# KiCad board demomatrix.kicad_pcb (continued)
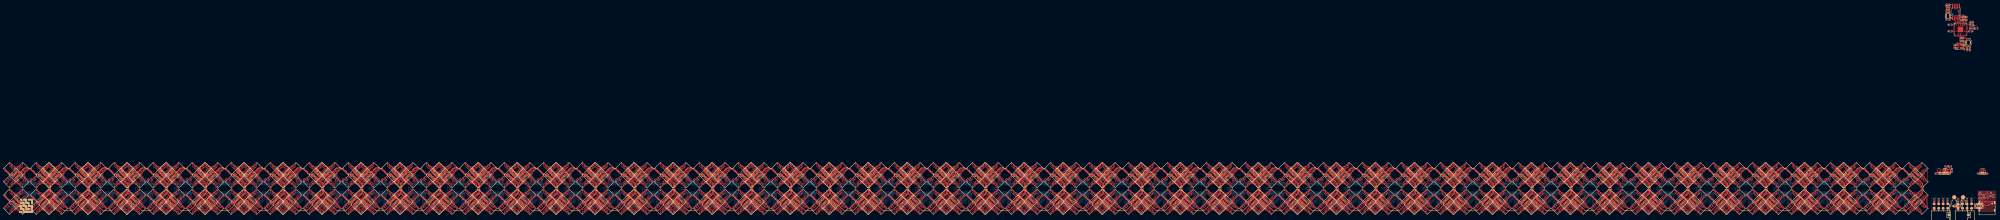
[diagram p0: board, top side]
## Nets (continued)
rgbs[1]-anodes-anode-684: LED781.3 LED782.4
rgbs[1]-anodes-anode-685: LED781.1 LED782.2
rgbs[1]-anodes-anode-686: LED781.5 LED782.6
rgbs[1]-anodes-anode-687: LED781.7 LED782.8
rgbs[1]-anodes-anode-688: LED65.3 LED66.4
rgbs[1]-anodes-anode-689: LED65.1 LED66.2
rgbs[1]-anodes-anode-690: LED65.5 LED66.6
rgbs[1]-anodes-anode-691: LED65.7 LED66.8
rgbs[1]-anodes-anode-692: LED69.3 LED70.4
rgbs[1]-anodes-anode-693: LED69.1 LED70.2
rgbs[1]-anodes-anode-694: LED69.5 LED70.6
rgbs[1]-anodes-anode-695: LED69.7 LED70.8
rgbs[1]-anodes-anode-696: LED73.3 LED74.4
rgbs[1]-anodes-anode-697: LED73.1 LED74.2
rgbs[1]-anodes-anode-698: LED73.5 LED74.6
rgbs[1]-anodes-anode-699: LED73.7 LED74.8
rgbs[1]-anodes-anode-700: LED77.3 LED78.4
rgbs[1]-anodes-anode-701: LED77.1 LED78.2
rgbs[1]-anodes-anode-702: LED77.5 LED78.6
rgbs[1]-anodes-anode-703: LED77.7 LED78.8
rgbs[1]-anodes-anode-704: LED81.3 LED82.4
rgbs[1]-anodes-anode-705: LED81.1 LED82.2
rgbs[1]-anodes-anode-706: LED81.5 LED82.6
rgbs[1]-anodes-anode-707: LED81.7 LED82.8
rgbs[1]-anodes-anode-708: LED85.3 LED86.4
rgbs[1]-anodes-anode-709: LED85.1 LED86.2
rgbs[1]-anodes-anode-710: LED85.5 LED86.6
rgbs[1]-anodes-anode-711: LED85.7 LED86.8
rgbs[1]-anodes-anode-712: LED89.3 LED90.4
rgbs[1]-anodes-anode-713: LED89.1 LED90.2
rgbs[1]-anodes-anode-714: LED89.5 LED90.6
rgbs[1]-anodes-anode-715: LED89.7 LED90.8
rgbs[1]-anodes-anode-716: LED93.3 LED94.4
rgbs[1]-anodes-anode-717: LED93.1 LED94.2
rgbs[1]-anodes-anode-718: LED93.5 LED94.6
rgbs[1]-anodes-anode-719: LED93.7 LED94.8
rgbs[1]-anodes-anode-720: LED97.3 LED98.4
rgbs[1]-anodes-anode-721: LED97.1 LED98.2
rgbs[1]-anodes-anode-722: LED97.5 LED98.6
rgbs[1]-anodes-anode-723: LED97.7 LED98.8
rgbs[1]-anodes-anode-724: LED101.3 LED102.4
rgbs[1]-anodes-anode-725: LED101.1 LED102.2
rgbs[1]-anodes-anode-726: LED101.5 LED102.6
rgbs[1]-anodes-anode-727: LED101.7 LED102.8
rgbs[1]-anodes-anode-728: LED105.3 LED106.4
rgbs[1]-anodes-anode-729: LED105.1 LED106.2
rgbs[1]-anodes-anode-730: LED105.5 LED106.6
rgbs[1]-anodes-anode-731: LED105.7 LED106.8
rgbs[1]-anodes-anode-732: LED109.3 LED110.4
rgbs[1]-anodes-anode-733: LED109.1 LED110.2
rgbs[1]-anodes-anode-734: LED109.5 LED110.6
rgbs[1]-anodes-anode-735: LED109.7 LED110.8
rgbs[1]-anodes-anode-736: LED113.3 LED114.4
rgbs[1]-anodes-anode-737: LED113.1 LED114.2
rgbs[1]-anodes-anode-738: LED113.5 LED114.6
rgbs[1]-anodes-anode-739: LED113.7 LED114.8
rgbs[1]-anodes-anode-740: LED117.3 LED118.4
rgbs[1]-anodes-anode-741: LED117.1 LED118.2
rgbs[1]-anodes-anode-742: LED117.5 LED118.6
rgbs[1]-anodes-anode-743: LED117.7 LED118.8
rgbs[1]-anodes-anode-744: LED121.3 LED122.4
rgbs[1]-anodes-anode-745: LED121.1 LED122.2
rgbs[1]-anodes-anode-746: LED121.5 LED122.6
rgbs[1]-anodes-anode-747: LED121.7 LED122.8
rgbs[1]-anodes-anode-748: LED125.3 LED126.4
rgbs[1]-anodes-anode-749: LED125.1 LED126.2
rgbs[1]-anodes-anode-750: LED125.5 LED126.6
rgbs[1]-anodes-anode-751: LED125.7 LED126.8
rgbs[1]-anodes-anode-752: LED129.3 LED130.4
rgbs[1]-anodes-anode-753: LED129.1 LED130.2
rgbs[1]-anodes-anode-754: LED129.5 LED130.6
rgbs[1]-anodes-anode-755: LED129.7 LED130.8
rgbs[1]-anodes-anode-756: LED133.3 LED134.4
rgbs[1]-anodes-anode-757: LED133.1 LED134.2
rgbs[1]-anodes-anode-758: LED133.5 LED134.6
rgbs[1]-anodes-anode-759: LED133.7 LED134.8
rgbs[1]-anodes-anode-760: LED137.3 LED138.4
rgbs[1]-anodes-anode-761: LED137.1 LED138.2
rgbs[1]-anodes-anode-762: LED137.5 LED138.6
rgbs[1]-anodes-anode-763: LED137.7 LED138.8
rgbs[1]-anodes-anode-764: LED141.3 LED142.4
rgbs[1]-anodes-anode-765: LED141.1 LED142.2
rgbs[1]-anodes-anode-766: LED141.5 LED142.6
rgbs[1]-anodes-anode-767: LED141.7 LED142.8
rgbs[1]-anodes-anode-768: LED145.3 LED146.4
rgbs[1]-anodes-anode-769: LED145.1 LED146.2
rgbs[1]-anodes-anode-770: LED145.5 LED146.6
rgbs[1]-anodes-anode-771: LED145.7 LED146.8
rgbs[1]-anodes-anode-772: LED149.3 LED150.4
rgbs[1]-anodes-anode-773: LED149.1 LED150.2
rgbs[1]-anodes-anode-774: LED149.5 LED150.6
rgbs[1]-anodes-anode-775: LED149.7 LED150.8
rgbs[1]-anodes-anode-776: LED153.3 LED154.4
rgbs[1]-anodes-anode-777: LED153.1 LED154.2
rgbs[1]-anodes-anode-778: LED153.5 LED154.6
rgbs[1]-anodes-anode-779: LED153.7 LED154.8
rgbs[1]-anodes-anode-780: LED157.3 LED158.4
rgbs[1]-anodes-anode-781: LED157.1 LED158.2
rgbs[1]-anodes-anode-782: LED157.5 LED158.6
rgbs[1]-anodes-anode-783: LED157.7 LED158.8
rgbs[2]-anodes-anode-0: LED2.3 LED3.4
rgbs[2]-anodes-anode-1: LED2.1 LED3.2
rgbs[2]-anodes-anode-2: LED2.5 LED3.6
rgbs[2]-anodes-anode-3: LED2.7 LED3.8
rgbs[2]-anodes-anode-4: LED6.3 LED7.4
rgbs[2]-anodes-anode-5: LED6.1 LED7.2
rgbs[2]-anodes-anode-6: LED6.5 LED7.6
rgbs[2]-anodes-anode-7: LED6.7 LED7.8
rgbs[2]-anodes-anode-8: LED10.3 LED11.4
rgbs[2]-anodes-anode-9: LED10.1 LED11.2
rgbs[2]-anodes-anode-10: LED10.5 LED11.6
rgbs[2]-anodes-anode-11: LED10.7 LED11.8
rgbs[2]-anodes-anode-12: LED14.3 LED15.4
rgbs[2]-anodes-anode-13: LED14.1 LED15.2
rgbs[2]-anodes-anode-14: LED14.5 LED15.6
rgbs[2]-anodes-anode-15: LED14.7 LED15.8
rgbs[2]-anodes-anode-16: LED162.3 LED163.4
rgbs[2]-anodes-anode-17: LED162.1 LED163.2
rgbs[2]-anodes-anode-18: LED162.5 LED163.6
rgbs[2]-anodes-anode-19: LED162.7 LED163.8
rgbs[2]-anodes-anode-20: LED166.3 LED167.4
rgbs[2]-anodes-anode-21: LED166.1 LED167.2
rgbs[2]-anodes-anode-22: LED166.5 LED167.6
rgbs[2]-anodes-anode-23: LED166.7 LED167.8
rgbs[2]-anodes-anode-24: LED170.3 LED171.4
rgbs[2]-anodes-anode-25: LED170.1 LED171.2
rgbs[2]-anodes-anode-26: LED170.5 LED171.6
rgbs[2]-anodes-anode-27: LED170.7 LED171.8
rgbs[2]-anodes-anode-28: LED174.3 LED175.4
rgbs[2]-anodes-anode-29: LED174.1 LED175.2
rgbs[2]-anodes-anode-30: LED174.5 LED175.6
rgbs[2]-anodes-anode-31: LED174.7 LED175.8
rgbs[2]-anodes-anode-32: LED178.3 LED179.4
rgbs[2]-anodes-anode-33: LED178.1 LED179.2
rgbs[2]-anodes-anode-34: LED178.5 LED179.6
rgbs[2]-anodes-anode-35: LED178.7 LED179.8
rgbs[2]-anodes-anode-36: LED182.3 LED183.4
rgbs[2]-anodes-anode-37: LED182.1 LED183.2
rgbs[2]-anodes-anode-38: LED182.5 LED183.6
rgbs[2]-anodes-anode-39: LED182.7 LED183.8
rgbs[2]-anodes-anode-40: LED186.3 LED187.4
rgbs[2]-anodes-anode-41: LED186.1 LED187.2
rgbs[2]-anodes-anode-42: LED186.5 LED187.6
rgbs[2]-anodes-anode-43: LED186.7 LED187.8
rgbs[2]-anodes-anode-44: LED190.3 LED191.4
rgbs[2]-anodes-anode-45: LED190.1 LED191.2
rgbs[2]-anodes-anode-46: LED190.5 LED191.6
rgbs[2]-anodes-anode-47: LED190.7 LED191.8
rgbs[2]-anodes-anode-48: LED194.3 LED195.4
rgbs[2]-anodes-anode-49: LED194.1 LED195.2
rgbs[2]-anodes-anode-50: LED194.5 LED195.6
rgbs[2]-anodes-anode-51: LED194.7 LED195.8
rgbs[2]-anodes-anode-52: LED198.3 LED199.4
rgbs[2]-anodes-anode-53: LED198.1 LED199.2
rgbs[2]-anodes-anode-54: LED198.5 LED199.6
rgbs[2]-anodes-anode-55: LED198.7 LED199.8
rgbs[2]-anodes-anode-56: LED202.3 LED203.4
rgbs[2]-anodes-anode-57: LED202.1 LED203.2
rgbs[2]-anodes-anode-58: LED202.5 LED203.6
rgbs[2]-anodes-anode-59: LED202.7 LED203.8
rgbs[2]-anodes-anode-60: LED206.3 LED207.4
rgbs[2]-anodes-anode-61: LED206.1 LED207.2
rgbs[2]-anodes-anode-62: LED206.5 LED207.6
rgbs[2]-anodes-anode-63: LED206.7 LED207.8
rgbs[2]-anodes-anode-64: LED210.3 LED211.4
rgbs[2]-anodes-anode-65: LED210.1 LED211.2
rgbs[2]-anodes-anode-66: LED210.5 LED211.6
rgbs[2]-anodes-anode-67: LED210.7 LED211.8
rgbs[2]-anodes-anode-68: LED214.3 LED215.4
rgbs[2]-anodes-anode-69: LED214.1 LED215.2
rgbs[2]-anodes-anode-70: LED214.5 LED215.6
rgbs[2]-anodes-anode-71: LED214.7 LED215.8
rgbs[2]-anodes-anode-72: LED218.3 LED219.4
rgbs[2]-anodes-anode-73: LED218.1 LED219.2
rgbs[2]-anodes-anode-74: LED218.5 LED219.6
rgbs[2]-anodes-anode-75: LED218.7 LED219.8
rgbs[2]-anodes-anode-76: LED222.3 LED223.4
rgbs[2]-anodes-anode-77: LED222.1 LED223.2
rgbs[2]-anodes-anode-78: LED222.5 LED223.6
rgbs[2]-anodes-anode-79: LED222.7 LED223.8
rgbs[2]-anodes-anode-80: LED226.3 LED227.4
rgbs[2]-anodes-anode-81: LED226.1 LED227.2
rgbs[2]-anodes-anode-82: LED226.5 LED227.6
rgbs[2]-anodes-anode-83: LED226.7 LED227.8
rgbs[2]-anodes-anode-84: LED230.3 LED231.4
rgbs[2]-anodes-anode-85: LED230.1 LED231.2
rgbs[2]-anodes-anode-86: LED230.5 LED231.6
rgbs[2]-anodes-anode-87: LED230.7 LED231.8
rgbs[2]-anodes-anode-88: LED234.3 LED235.4
rgbs[2]-anodes-anode-89: LED234.1 LED235.2
rgbs[2]-anodes-anode-90: LED234.5 LED235.6
rgbs[2]-anodes-anode-91: LED234.7 LED235.8
rgbs[2]-anodes-anode-92: LED238.3 LED239.4
rgbs[2]-anodes-anode-93: LED238.1 LED239.2
rgbs[2]-anodes-anode-94: LED238.5 LED239.6
rgbs[2]-anodes-anode-95: LED238.7 LED239.8
rgbs[2]-anodes-anode-96: LED242.3 LED243.4
rgbs[2]-anodes-anode-97: LED242.1 LED243.2
rgbs[2]-anodes-anode-98: LED242.5 LED243.6
rgbs[2]-anodes-anode-99: LED242.7 LED243.8
rgbs[2]-anodes-anode-100: LED246.3 LED247.4
rgbs[2]-anodes-anode-101: LED246.1 LED247.2
rgbs[2]-anodes-anode-102: LED246.5 LED247.6
rgbs[2]-anodes-anode-103: LED246.7 LED247.8
rgbs[2]-anodes-anode-104: LED250.3 LED251.4
rgbs[2]-anodes-anode-105: LED250.1 LED251.2
rgbs[2]-anodes-anode-106: LED250.5 LED251.6
rgbs[2]-anodes-anode-107: LED250.7 LED251.8
rgbs[2]-anodes-anode-108: LED254.3 LED255.4
rgbs[2]-anodes-anode-109: LED254.1 LED255.2
rgbs[2]-anodes-anode-110: LED254.5 LED255.6
rgbs[2]-anodes-anode-111: LED254.7 LED255.8
rgbs[2]-anodes-anode-112: LED258.3 LED259.4
rgbs[2]-anodes-anode-113: LED258.1 LED259.2
rgbs[2]-anodes-anode-114: LED258.5 LED259.6
rgbs[2]-anodes-anode-115: LED258.7 LED259.8
rgbs[2]-anodes-anode-116: LED262.3 LED263.4
rgbs[2]-anodes-anode-117: LED262.1 LED263.2
rgbs[2]-anodes-anode-118: LED262.5 LED263.6
rgbs[2]-anodes-anode-119: LED262.7 LED263.8
rgbs[2]-anodes-anode-120: LED266.3 LED267.4
rgbs[2]-anodes-anode-121: LED266.1 LED267.2
rgbs[2]-anodes-anode-122: LED266.5 LED267.6
rgbs[2]-anodes-anode-123: LED266.7 LED267.8
rgbs[2]-anodes-anode-124: LED270.3 LED271.4
rgbs[2]-anodes-anode-125: LED270.1 LED271.2
rgbs[2]-anodes-anode-126: LED270.5 LED271.6
rgbs[2]-anodes-anode-127: LED270.7 LED271.8
rgbs[2]-anodes-anode-128: LED274.3 LED275.4
rgbs[2]-anodes-anode-129: LED274.1 LED275.2
rgbs[2]-anodes-anode-130: LED274.5 LED275.6
rgbs[2]-anodes-anode-131: LED274.7 LED275.8
rgbs[2]-anodes-anode-132: LED278.3 LED279.4
rgbs[2]-anodes-anode-133: LED278.1 LED279.2
rgbs[2]-anodes-anode-134: LED278.5 LED279.6
rgbs[2]-anodes-anode-135: LED278.7 LED279.8
rgbs[2]-anodes-anode-136: LED282.3 LED283.4
rgbs[2]-anodes-anode-137: LED282.1 LED283.2
rgbs[2]-anodes-anode-138: LED282.5 LED283.6
rgbs[2]-anodes-anode-139: LED282.7 LED283.8
rgbs[2]-anodes-anode-140: LED286.3 LED287.4
rgbs[2]-anodes-anode-141: LED286.1 LED287.2
rgbs[2]-anodes-anode-142: LED286.5 LED287.6
rgbs[2]-anodes-anode-143: LED286.7 LED287.8
rgbs[2]-anodes-anode-144: LED290.3 LED291.4
rgbs[2]-anodes-anode-145: LED290.1 LED291.2
rgbs[2]-anodes-anode-146: LED290.5 LED291.6
rgbs[2]-anodes-anode-147: LED290.7 LED291.8
rgbs[2]-anodes-anode-148: LED294.3 LED295.4
rgbs[2]-anodes-anode-149: LED294.1 LED295.2
rgbs[2]-anodes-anode-150: LED294.5 LED295.6
rgbs[2]-anodes-anode-151: LED294.7 LED295.8
rgbs[2]-anodes-anode-152: LED298.3 LED299.4
rgbs[2]-anodes-anode-153: LED298.1 LED299.2
rgbs[2]-anodes-anode-154: LED298.5 LED299.6
rgbs[2]-anodes-anode-155: LED298.7 LED299.8
rgbs[2]-anodes-anode-156: LED302.3 LED303.4
rgbs[2]-anodes-anode-157: LED302.1 LED303.2
rgbs[2]-anodes-anode-158: LED302.5 LED303.6
rgbs[2]-anodes-anode-159: LED302.7 LED303.8
rgbs[2]-anodes-anode-160: LED306.3 LED307.4
rgbs[2]-anodes-anode-161: LED306.1 LED307.2
rgbs[2]-anodes-anode-162: LED306.5 LED307.6
rgbs[2]-anodes-anode-163: LED306.7 LED307.8
rgbs[2]-anodes-anode-164: LED310.3 LED311.4
rgbs[2]-anodes-anode-165: LED310.1 LED311.2
rgbs[2]-anodes-anode-166: LED310.5 LED311.6
rgbs[2]-anodes-anode-167: LED310.7 LED311.8
rgbs[2]-anodes-anode-168: LED314.3 LED315.4
rgbs[2]-anodes-anode-169: LED314.1 LED315.2
rgbs[2]-anodes-anode-170: LED314.5 LED315.6
rgbs[2]-anodes-anode-171: LED314.7 LED315.8
rgbs[2]-anodes-anode-172: LED318.3 LED319.4
rgbs[2]-anodes-anode-173: LED318.1 LED319.2
rgbs[2]-anodes-anode-174: LED318.5 LED319.6
rgbs[2]-anodes-anode-175: LED318.7 LED319.8
rgbs[2]-anodes-anode-176: LED18.3 LED19.4
rgbs[2]-anodes-anode-177: LED18.1 LED19.2
rgbs[2]-anodes-anode-178: LED18.5 LED19.6
rgbs[2]-anodes-anode-179: LED18.7 LED19.8
rgbs[2]-anodes-anode-180: LED22.3 LED23.4
rgbs[2]-anodes-anode-181: LED22.1 LED23.2
rgbs[2]-anodes-anode-182: LED22.5 LED23.6
rgbs[2]-anodes-anode-183: LED22.7 LED23.8
rgbs[2]-anodes-anode-184: LED26.3 LED27.4
rgbs[2]-anodes-anode-185: LED26.1 LED27.2
rgbs[2]-anodes-anode-186: LED26.5 LED27.6
rgbs[2]-anodes-anode-187: LED26.7 LED27.8
rgbs[2]-anodes-anode-188: LED30.3 LED31.4
rgbs[2]-anodes-anode-189: LED30.1 LED31.2
rgbs[2]-anodes-anode-190: LED30.5 LED31.6
rgbs[2]-anodes-anode-191: LED30.7 LED31.8
rgbs[2]-anodes-anode-192: LED322.3 LED323.4
rgbs[2]-anodes-anode-193: LED322.1 LED323.2
rgbs[2]-anodes-anode-194: LED322.5 LED323.6
rgbs[2]-anodes-anode-195: LED322.7 LED323.8
rgbs[2]-anodes-anode-196: LED326.3 LED327.4
rgbs[2]-anodes-anode-197: LED326.1 LED327.2
rgbs[2]-anodes-anode-198: LED326.5 LED327.6
rgbs[2]-anodes-anode-199: LED326.7 LED327.8
rgbs[2]-anodes-anode-200: LED330.3 LED331.4
rgbs[2]-anodes-anode-201: LED330.1 LED331.2
rgbs[2]-anodes-anode-202: LED330.5 LED331.6
rgbs[2]-anodes-anode-203: LED330.7 LED331.8
rgbs[2]-anodes-anode-204: LED334.3 LED335.4
rgbs[2]-anodes-anode-205: LED334.1 LED335.2
rgbs[2]-anodes-anode-206: LED334.5 LED335.6
rgbs[2]-anodes-anode-207: LED334.7 LED335.8
rgbs[2]-anodes-anode-208: LED338.3 LED339.4
rgbs[2]-anodes-anode-209: LED338.1 LED339.2
rgbs[2]-anodes-anode-210: LED338.5 LED339.6
rgbs[2]-anodes-anode-211: LED338.7 LED339.8
rgbs[2]-anodes-anode-212: LED342.3 LED343.4
rgbs[2]-anodes-anode-213: LED342.1 LED343.2
rgbs[2]-anodes-anode-214: LED342.5 LED343.6
rgbs[2]-anodes-anode-215: LED342.7 LED343.8
rgbs[2]-anodes-anode-216: LED346.3 LED347.4
rgbs[2]-anodes-anode-217: LED346.1 LED347.2
rgbs[2]-anodes-anode-218: LED346.5 LED347.6
rgbs[2]-anodes-anode-219: LED346.7 LED347.8
rgbs[2]-anodes-anode-220: LED350.3 LED351.4
rgbs[2]-anodes-anode-221: LED350.1 LED351.2
rgbs[2]-anodes-anode-222: LED350.5 LED351.6
rgbs[2]-anodes-anode-223: LED350.7 LED351.8
rgbs[2]-anodes-anode-224: LED354.3 LED355.4
rgbs[2]-anodes-anode-225: LED354.1 LED355.2
rgbs[2]-anodes-anode-226: LED354.5 LED355.6
rgbs[2]-anodes-anode-227: LED354.7 LED355.8
rgbs[2]-anodes-anode-228: LED358.3 LED359.4
rgbs[2]-anodes-anode-229: LED358.1 LED359.2
rgbs[2]-anodes-anode-230: LED358.5 LED359.6
rgbs[2]-anodes-anode-231: LED358.7 LED359.8
rgbs[2]-anodes-anode-232: LED362.3 LED363.4
rgbs[2]-anodes-anode-233: LED362.1 LED363.2
rgbs[2]-anodes-anode-234: LED362.5 LED363.6
rgbs[2]-anodes-anode-235: LED362.7 LED363.8
rgbs[2]-anodes-anode-236: LED366.3 LED367.4
rgbs[2]-anodes-anode-237: LED366.1 LED367.2
rgbs[2]-anodes-anode-238: LED366.5 LED367.6
rgbs[2]-anodes-anode-239: LED366.7 LED367.8
rgbs[2]-anodes-anode-240: LED370.3 LED371.4
rgbs[2]-anodes-anode-241: LED370.1 LED371.2
rgbs[2]-anodes-anode-242: LED370.5 LED371.6
rgbs[2]-anodes-anode-243: LED370.7 LED371.8
rgbs[2]-anodes-anode-244: LED374.3 LED375.4
rgbs[2]-anodes-anode-245: LED374.1 LED375.2
rgbs[2]-anodes-anode-246: LED374.5 LED375.6
rgbs[2]-anodes-anode-247: LED374.7 LED375.8
rgbs[2]-anodes-anode-248: LED378.3 LED379.4
rgbs[2]-anodes-anode-249: LED378.1 LED379.2
rgbs[2]-anodes-anode-250: LED378.5 LED379.6
rgbs[2]-anodes-anode-251: LED378.7 LED379.8
rgbs[2]-anodes-anode-252: LED382.3 LED383.4
rgbs[2]-anodes-anode-253: LED382.1 LED383.2
rgbs[2]-anodes-anode-254: LED382.5 LED383.6
rgbs[2]-anodes-anode-255: LED382.7 LED383.8
rgbs[2]-anodes-anode-256: LED386.3 LED387.4
rgbs[2]-anodes-anode-257: LED386.1 LED387.2
rgbs[2]-anodes-anode-258: LED386.5 LED387.6
rgbs[2]-anodes-anode-259: LED386.7 LED387.8
rgbs[2]-anodes-anode-260: LED390.3 LED391.4
rgbs[2]-anodes-anode-261: LED390.1 LED391.2
rgbs[2]-anodes-anode-262: LED390.5 LED391.6
rgbs[2]-anodes-anode-263: LED390.7 LED391.8
rgbs[2]-anodes-anode-264: LED394.3 LED395.4
rgbs[2]-anodes-anode-265: LED394.1 LED395.2
rgbs[2]-anodes-anode-266: LED394.5 LED395.6
rgbs[2]-anodes-anode-267: LED394.7 LED395.8
rgbs[2]-anodes-anode-268: LED398.3 LED399.4
rgbs[2]-anodes-anode-269: LED398.1 LED399.2
rgbs[2]-anodes-anode-270: LED398.5 LED399.6
rgbs[2]-anodes-anode-271: LED398.7 LED399.8
rgbs[2]-anodes-anode-272: LED402.3 LED403.4
rgbs[2]-anodes-anode-273: LED402.1 LED403.2
rgbs[2]-anodes-anode-274: LED402.5 LED403.6
rgbs[2]-anodes-anode-275: LED402.7 LED403.8
rgbs[2]-anodes-anode-276: LED406.3 LED407.4
rgbs[2]-anodes-anode-277: LED406.1 LED407.2
rgbs[2]-anodes-anode-278: LED406.5 LED407.6
rgbs[2]-anodes-anode-279: LED406.7 LED407.8
rgbs[2]-anodes-anode-280: LED410.3 LED411.4
rgbs[2]-anodes-anode-281: LED410.1 LED411.2
rgbs[2]-anodes-anode-282: LED410.5 LED411.6
rgbs[2]-anodes-anode-283: LED410.7 LED411.8
rgbs[2]-anodes-anode-284: LED414.3 LED415.4
rgbs[2]-anodes-anode-285: LED414.1 LED415.2
rgbs[2]-anodes-anode-286: LED414.5 LED415.6
rgbs[2]-anodes-anode-287: LED414.7 LED415.8
rgbs[2]-anodes-anode-288: LED418.3 LED419.4
rgbs[2]-anodes-anode-289: LED418.1 LED419.2
rgbs[2]-anodes-anode-290: LED418.5 LED419.6
rgbs[2]-anodes-anode-291: LED418.7 LED419.8
rgbs[2]-anodes-anode-292: LED422.3 LED423.4
rgbs[2]-anodes-anode-293: LED422.1 LED423.2
rgbs[2]-anodes-anode-294: LED422.5 LED423.6
rgbs[2]-anodes-anode-295: LED422.7 LED423.8
rgbs[2]-anodes-anode-296: LED426.3 LED427.4
rgbs[2]-anodes-anode-297: LED426.1 LED427.2
rgbs[2]-anodes-anode-298: LED426.5 LED427.6
rgbs[2]-anodes-anode-299: LED426.7 LED427.8
rgbs[2]-anodes-anode-300: LED430.3 LED431.4
rgbs[2]-anodes-anode-301: LED430.1 LED431.2
rgbs[2]-anodes-anode-302: LED430.5 LED431.6
rgbs[2]-anodes-anode-303: LED430.7 LED431.8
rgbs[2]-anodes-anode-304: LED434.3 LED435.4
rgbs[2]-anodes-anode-305: LED434.1 LED435.2
rgbs[2]-anodes-anode-306: LED434.5 LED435.6
rgbs[2]-anodes-anode-307: LED434.7 LED435.8
rgbs[2]-anodes-anode-308: LED438.3 LED439.4
rgbs[2]-anodes-anode-309: LED438.1 LED439.2
rgbs[2]-anodes-anode-310: LED438.5 LED439.6
rgbs[2]-anodes-anode-311: LED438.7 LED439.8
rgbs[2]-anodes-anode-312: LED442.3 LED443.4
rgbs[2]-anodes-anode-313: LED442.1 LED443.2
rgbs[2]-anodes-anode-314: LED442.5 LED443.6
rgbs[2]-anodes-anode-315: LED442.7 LED443.8
rgbs[2]-anodes-anode-316: LED446.3 LED447.4
rgbs[2]-anodes-anode-317: LED446.1 LED447.2
rgbs[2]-anodes-anode-318: LED446.5 LED447.6
rgbs[2]-anodes-anode-319: LED446.7 LED447.8
rgbs[2]-anodes-anode-320: LED450.3 LED451.4
rgbs[2]-anodes-anode-321: LED450.1 LED451.2
rgbs[2]-anodes-anode-322: LED450.5 LED451.6
rgbs[2]-anodes-anode-323: LED450.7 LED451.8
rgbs[2]-anodes-anode-324: LED454.3 LED455.4
rgbs[2]-anodes-anode-325: LED454.1 LED455.2
rgbs[2]-anodes-anode-326: LED454.5 LED455.6
rgbs[2]-anodes-anode-327: LED454.7 LED455.8
rgbs[2]-anodes-anode-328: LED458.3 LED459.4
rgbs[2]-anodes-anode-329: LED458.1 LED459.2
rgbs[2]-anodes-anode-330: LED458.5 LED459.6
rgbs[2]-anodes-anode-331: LED458.7 LED459.8
rgbs[2]-anodes-anode-332: LED462.3 LED463.4
rgbs[2]-anodes-anode-333: LED462.1 LED463.2
rgbs[2]-anodes-anode-334: LED462.5 LED463.6
rgbs[2]-anodes-anode-335: LED462.7 LED463.8
rgbs[2]-anodes-anode-336: LED466.3 LED467.4
rgbs[2]-anodes-anode-337: LED466.1 LED467.2
rgbs[2]-anodes-anode-338: LED466.5 LED467.6
rgbs[2]-anodes-anode-339: LED466.7 LED467.8
rgbs[2]-anodes-anode-340: LED470.3 LED471.4
rgbs[2]-anodes-anode-341: LED470.1 LED471.2
rgbs[2]-anodes-anode-342: LED470.5 LED471.6
rgbs[2]-anodes-anode-343: LED470.7 LED471.8
rgbs[2]-anodes-anode-344: LED474.3 LED475.4
rgbs[2]-anodes-anode-345: LED474.1 LED475.2
rgbs[2]-anodes-anode-346: LED474.5 LED475.6
rgbs[2]-anodes-anode-347: LED474.7 LED475.8
rgbs[2]-anodes-anode-348: LED478.3 LED479.4
rgbs[2]-anodes-anode-349: LED478.1 LED479.2
rgbs[2]-anodes-anode-350: LED478.5 LED479.6
rgbs[2]-anodes-anode-351: LED478.7 LED479.8
rgbs[2]-anodes-anode-352: LED34.3 LED35.4
rgbs[2]-anodes-anode-353: LED34.1 LED35.2
rgbs[2]-anodes-anode-354: LED34.5 LED35.6
rgbs[2]-anodes-anode-355: LED34.7 LED35.8
rgbs[2]-anodes-anode-356: LED38.3 LED39.4
rgbs[2]-anodes-anode-357: LED38.1 LED39.2
rgbs[2]-anodes-anode-358: LED38.5 LED39.6
rgbs[2]-anodes-anode-359: LED38.7 LED39.8
rgbs[2]-anodes-anode-360: LED42.3 LED43.4
rgbs[2]-anodes-anode-361: LED42.1 LED43.2
rgbs[2]-anodes-anode-362: LED42.5 LED43.6
rgbs[2]-anodes-anode-363: LED42.7 LED43.8
rgbs[2]-anodes-anode-364: LED46.3 LED47.4
rgbs[2]-anodes-anode-365: LED46.1 LED47.2
rgbs[2]-anodes-anode-366: LED46.5 LED47.6
rgbs[2]-anodes-anode-367: LED46.7 LED47.8
rgbs[2]-anodes-anode-368: LED482.3 LED483.4
rgbs[2]-anodes-anode-369: LED482.1 LED483.2
rgbs[2]-anodes-anode-370: LED482.5 LED483.6
rgbs[2]-anodes-anode-371: LED482.7 LED483.8
rgbs[2]-anodes-anode-372: LED486.3 LED487.4
rgbs[2]-anodes-anode-373: LED486.1 LED487.2
rgbs[2]-anodes-anode-374: LED486.5 LED487.6
rgbs[2]-anodes-anode-375: LED486.7 LED487.8
rgbs[2]-anodes-anode-376: LED490.3 LED491.4
rgbs[2]-anodes-anode-377: LED490.1 LED491.2
rgbs[2]-anodes-anode-378: LED490.5 LED491.6
rgbs[2]-anodes-anode-379: LED490.7 LED491.8
rgbs[2]-anodes-anode-380: LED494.3 LED495.4
rgbs[2]-anodes-anode-381: LED494.1 LED495.2
rgbs[2]-anodes-anode-382: LED494.5 LED495.6
rgbs[2]-anodes-anode-383: LED494.7 LED495.8
rgbs[2]-anodes-anode-384: LED498.3 LED499.4
rgbs[2]-anodes-anode-385: LED498.1 LED499.2
rgbs[2]-anodes-anode-386: LED498.5 LED499.6
rgbs[2]-anodes-anode-387: LED498.7 LED499.8
rgbs[2]-anodes-anode-388: LED502.3 LED503.4
rgbs[2]-anodes-anode-389: LED502.1 LED503.2
rgbs[2]-anodes-anode-390: LED502.5 LED503.6
rgbs[2]-anodes-anode-391: LED502.7 LED503.8
rgbs[2]-anodes-anode-392: LED506.3 LED507.4
rgbs[2]-anodes-anode-393: LED506.1 LED507.2
rgbs[2]-anodes-anode-394: LED506.5 LED507.6
rgbs[2]-anodes-anode-395: LED506.7 LED507.8
rgbs[2]-anodes-anode-396: LED510.3 LED511.4
rgbs[2]-anodes-anode-397: LED510.1 LED511.2
rgbs[2]-anodes-anode-398: LED510.5 LED511.6
rgbs[2]-anodes-anode-399: LED510.7 LED511.8
rgbs[2]-anodes-anode-400: LED514.3 LED515.4
rgbs[2]-anodes-anode-401: LED514.1 LED515.2
rgbs[2]-anodes-anode-402: LED514.5 LED515.6
rgbs[2]-anodes-anode-403: LED514.7 LED515.8
rgbs[2]-anodes-anode-404: LED518.3 LED519.4
rgbs[2]-anodes-anode-405: LED518.1 LED519.2
rgbs[2]-anodes-anode-406: LED518.5 LED519.6
rgbs[2]-anodes-anode-407: LED518.7 LED519.8
rgbs[2]-anodes-anode-408: LED522.3 LED523.4
rgbs[2]-anodes-anode-409: LED522.1 LED523.2
rgbs[2]-anodes-anode-410: LED522.5 LED523.6
rgbs[2]-anodes-anode-411: LED522.7 LED523.8
rgbs[2]-anodes-anode-412: LED526.3 LED527.4
rgbs[2]-anodes-anode-413: LED526.1 LED527.2
rgbs[2]-anodes-anode-414: LED526.5 LED527.6
rgbs[2]-anodes-anode-415: LED526.7 LED527.8
rgbs[2]-anodes-anode-416: LED530.3 LED531.4
rgbs[2]-anodes-anode-417: LED530.1 LED531.2
rgbs[2]-anodes-anode-418: LED530.5 LED531.6
rgbs[2]-anodes-anode-419: LED530.7 LED531.8
rgbs[2]-anodes-anode-420: LED534.3 LED535.4
rgbs[2]-anodes-anode-421: LED534.1 LED535.2
rgbs[2]-anodes-anode-422: LED534.5 LED535.6
rgbs[2]-anodes-anode-423: LED534.7 LED535.8
rgbs[2]-anodes-anode-424: LED538.3 LED539.4
rgbs[2]-anodes-anode-425: LED538.1 LED539.2
rgbs[2]-anodes-anode-426: LED538.5 LED539.6
rgbs[2]-anodes-anode-427: LED538.7 LED539.8
rgbs[2]-anodes-anode-428: LED542.3 LED543.4
rgbs[2]-anodes-anode-429: LED542.1 LED543.2
rgbs[2]-anodes-anode-430: LED542.5 LED543.6
rgbs[2]-anodes-anode-431: LED542.7 LED543.8
rgbs[2]-anodes-anode-432: LED546.3 LED547.4
rgbs[2]-anodes-anode-433: LED546.1 LED547.2
rgbs[2]-anodes-anode-434: LED546.5 LED547.6
rgbs[2]-anodes-anode-435: LED546.7 LED547.8
rgbs[2]-anodes-anode-436: LED550.3 LED551.4
rgbs[2]-anodes-anode-437: LED550.1 LED551.2
rgbs[2]-anodes-anode-438: LED550.5 LED551.6
rgbs[2]-anodes-anode-439: LED550.7 LED551.8
rgbs[2]-anodes-anode-440: LED554.3 LED555.4
rgbs[2]-anodes-anode-441: LED554.1 LED555.2
rgbs[2]-anodes-anode-442: LED554.5 LED555.6
rgbs[2]-anodes-anode-443: LED554.7 LED555.8
rgbs[2]-anodes-anode-444: LED558.3 LED559.4
rgbs[2]-anodes-anode-445: LED558.1 LED559.2
rgbs[2]-anodes-anode-446: LED558.5 LED559.6
rgbs[2]-anodes-anode-447: LED558.7 LED559.8
rgbs[2]-anodes-anode-448: LED562.3 LED563.4
rgbs[2]-anodes-anode-449: LED562.1 LED563.2
rgbs[2]-anodes-anode-450: LED562.5 LED563.6
rgbs[2]-anodes-anode-451: LED562.7 LED563.8
rgbs[2]-anodes-anode-452: LED566.3 LED567.4
rgbs[2]-anodes-anode-453: LED566.1 LED567.2
rgbs[2]-anodes-anode-454: LED566.5 LED567.6
rgbs[2]-anodes-anode-455: LED566.7 LED567.8
rgbs[2]-anodes-anode-456: LED570.3 LED571.4
rgbs[2]-anodes-anode-457: LED570.1 LED571.2
rgbs[2]-anodes-anode-458: LED570.5 LED571.6
rgbs[2]-anodes-anode-459: LED570.7 LED571.8
rgbs[2]-anodes-anode-460: LED574.3 LED575.4
rgbs[2]-anodes-anode-461: LED574.1 LED575.2
rgbs[2]-anodes-anode-462: LED574.5 LED575.6
rgbs[2]-anodes-anode-463: LED574.7 LED575.8
rgbs[2]-anodes-anode-464: LED578.3 LED579.4
rgbs[2]-anodes-anode-465: LED578.1 LED579.2
rgbs[2]-anodes-anode-466: LED578.5 LED579.6
rgbs[2]-anodes-anode-467: LED578.7 LED579.8
rgbs[2]-anodes-anode-468: LED582.3 LED583.4
rgbs[2]-anodes-anode-469: LED582.1 LED583.2
rgbs[2]-anodes-anode-470: LED582.5 LED583.6
rgbs[2]-anodes-anode-471: LED582.7 LED583.8
rgbs[2]-anodes-anode-472: LED586.3 LED587.4
rgbs[2]-anodes-anode-473: LED586.1 LED587.2